# Altium PCB FMC_CMOS_SENSOR.PcbDoc (part 1 of 3)
Units mil, origin at the board's own origin, x right, y up, seen from the top; angles counter-clockwise.
Board outline 3017.68 x 2726.57 mil, 4 copper layers (Top Layer, Plane L3GND, MidLayer1, Bottom Layer), stack 55.118 mil thick; 88 components, 198 nets, 750 pads, 383 vias.
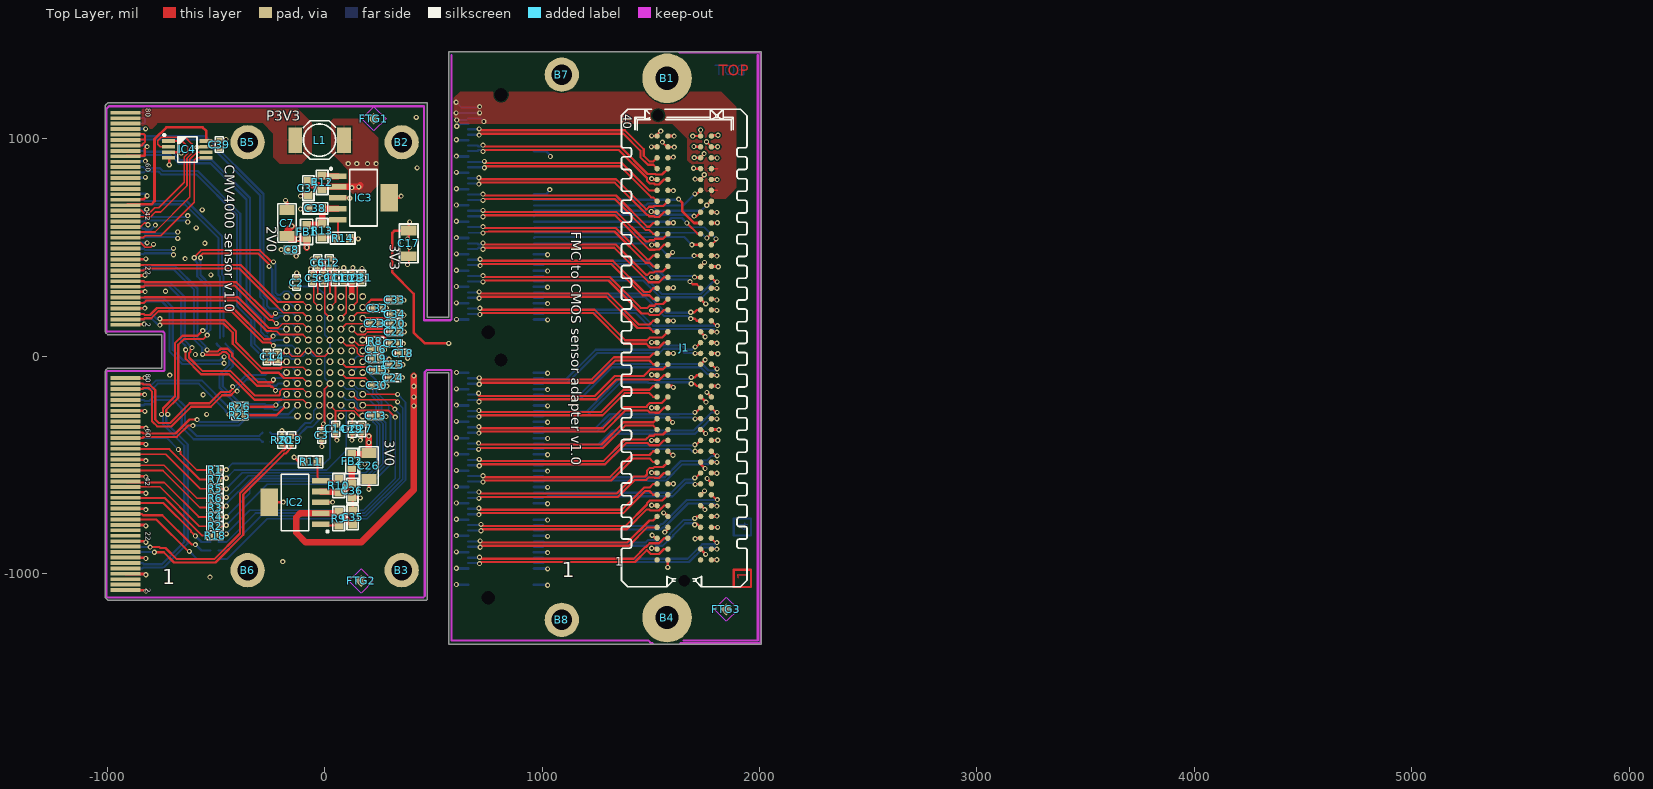
[diagram p0: Top Layer view]
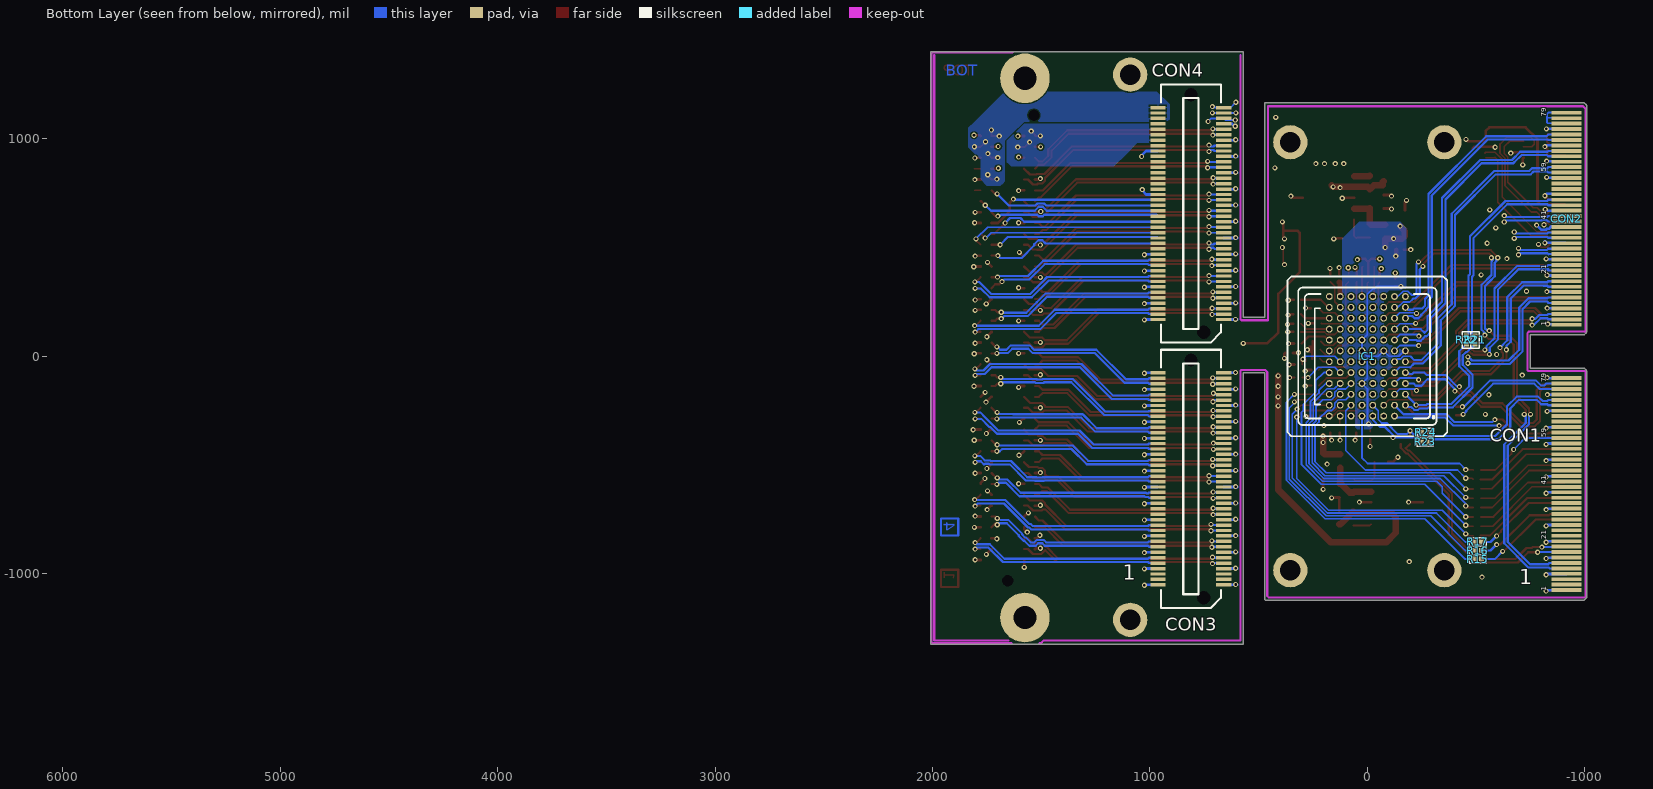
[diagram p1: Bottom Layer view, seen from below]
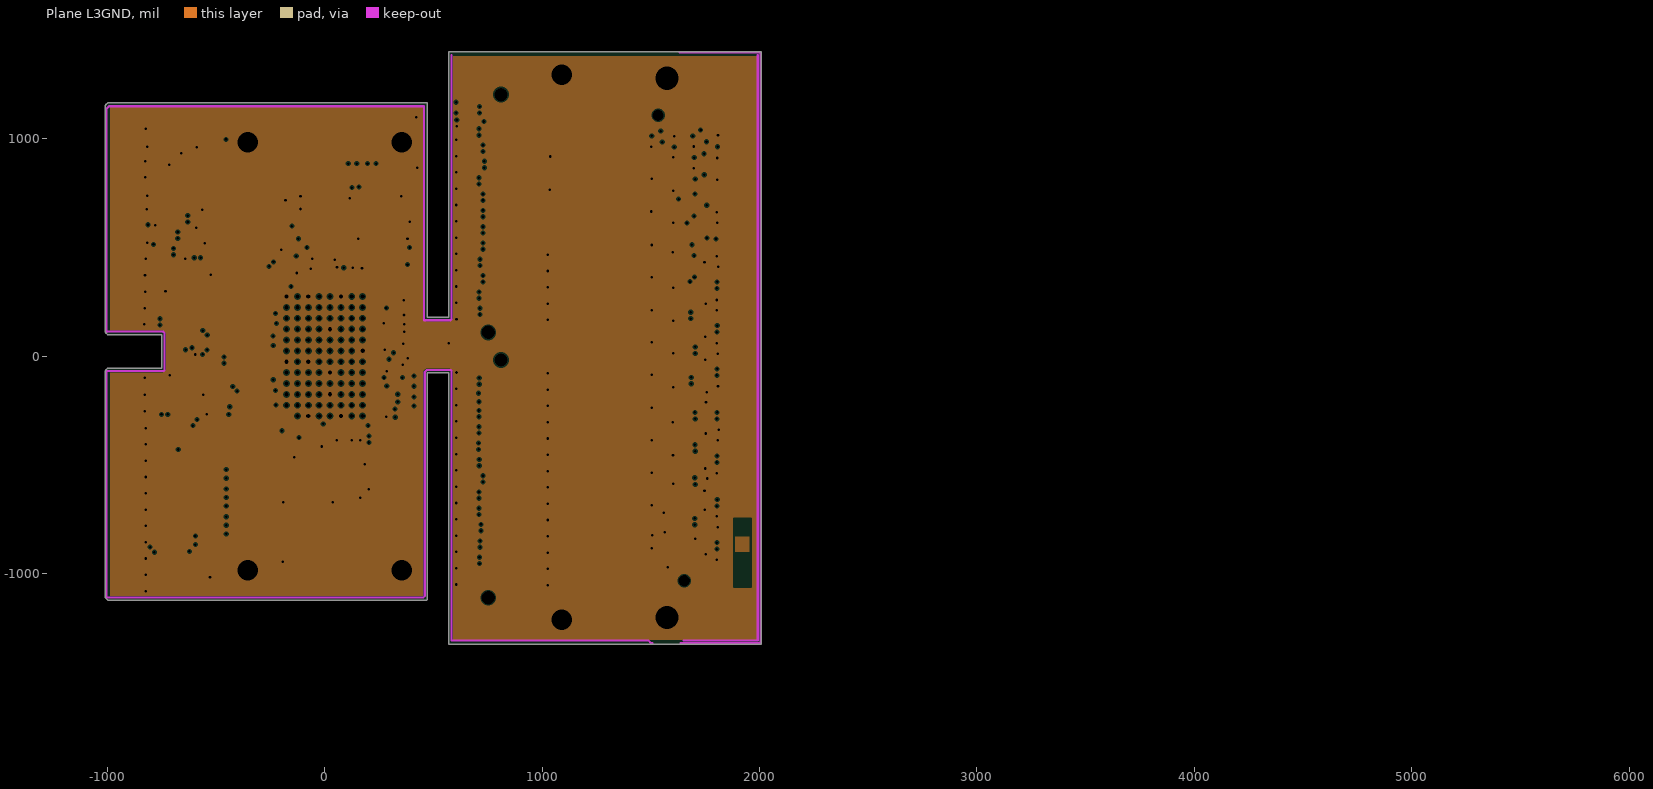
[diagram p2: Plane L3GND, clearances drawn from the general rule]
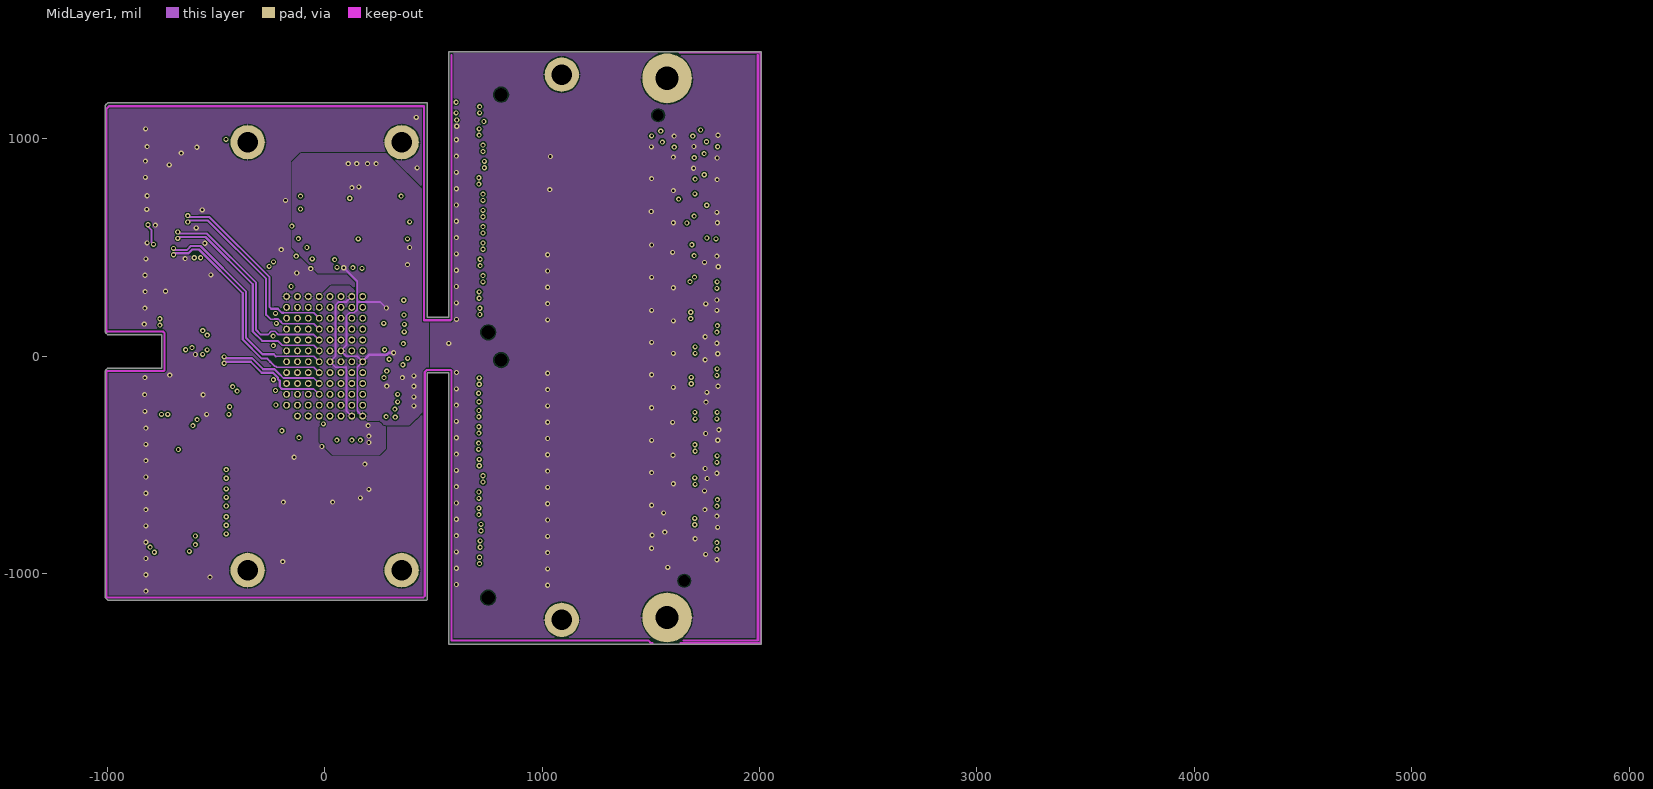
[diagram p3: MidLayer1]
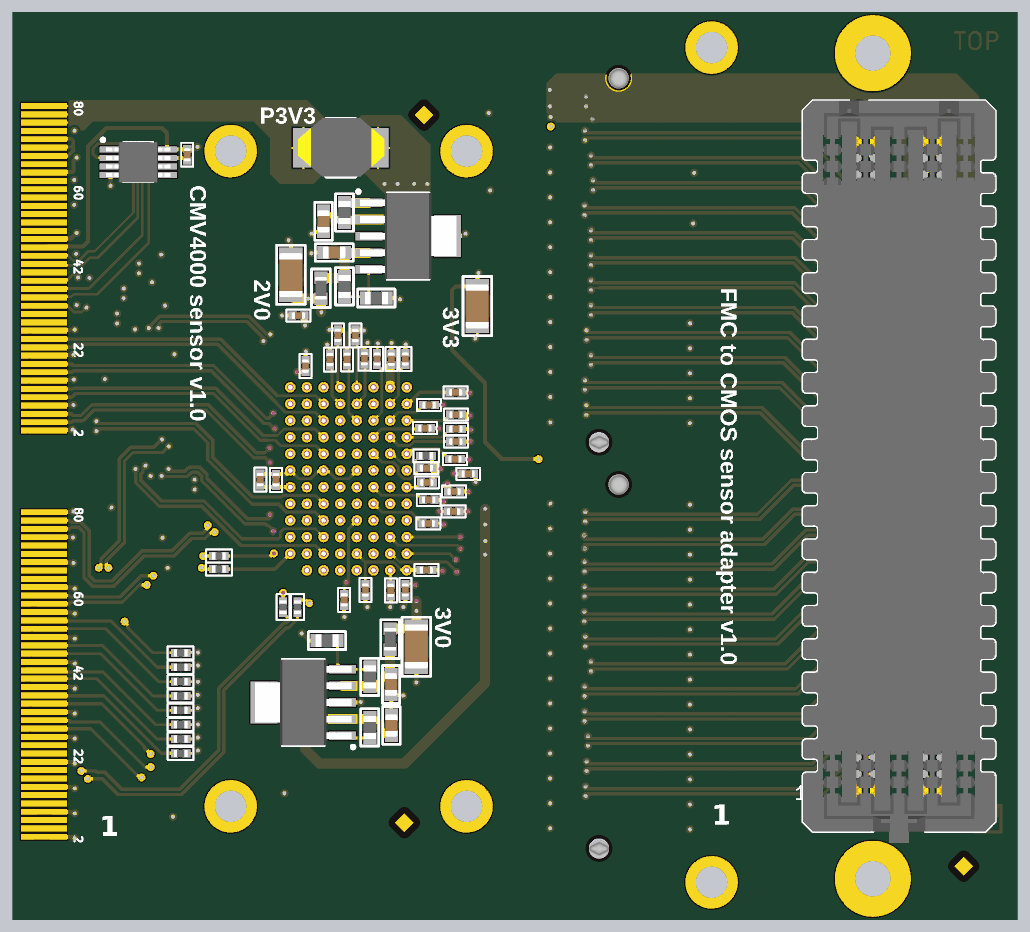
[diagram p6: 3D render of the assembled board from above, using the file's embedded part models]
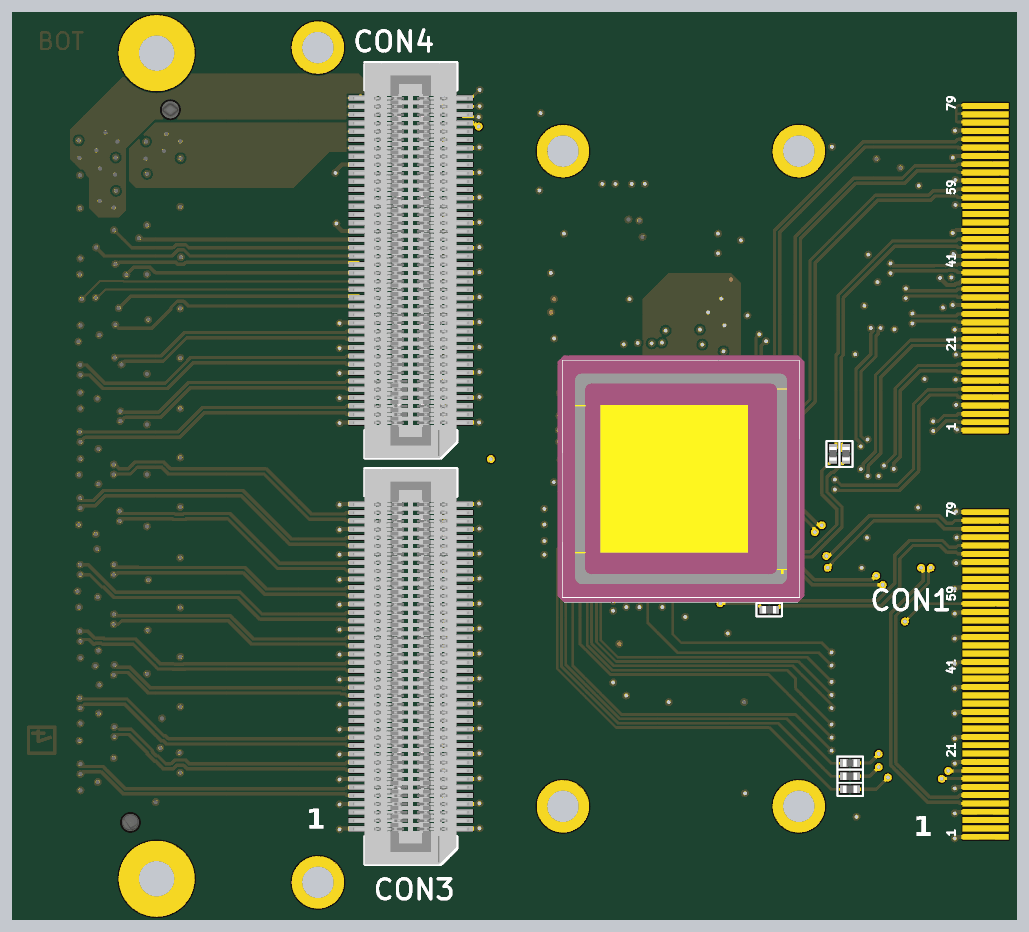
[diagram p7: 3D render of the assembled board from below, using the file's embedded part models]

## Layer stack, top to bottom
Top Solder: solder mask 3, Solder Resist, Dk 3.5
Top Layer: signal copper 1.378
Dielectric1: core 7.0866, FR-4, Dk 4.5
Plane L3GND: plane copper 1.378
Dielectric3: prepreg 35.4331, FR-4, Dk 4.8
MidLayer1: signal copper 1.378
Dielectric2: core 7.0866, FR-4, Dk 4.8
Bottom Layer: signal copper 1.378
Bottom Solder: solder mask 3, Solder Resist, Dk 3.5

## Board outline
-1007,-1112.26 cw(c-1003.47,-1108.7) -1008.48,-1108.7 -1008.48,-67.7 cw(c-1003.47,-67.7) -1007,-64.14 -1007.01,-64.15 -999.01,-56.15 -999.03,-56.17 cw(c-995.47,-59.7) -995.47,-54.68 -750.55,-54.68 -750.55,98.76 -995.47,98.76 cw(c-995.47,103.77) -999.03,100.24 -999.01,100.23 -1007.01,108.23 -1007,108.21 cw(c-1003.47,111.77) -1008.48,111.77 -1008.48,1152.77 cw(c-1003.47,1152.77) -1007,1156.34 -1007.01,1156.32 -999.01,1164.32 -999.03,1164.3 cw(c-995.47,1160.77) -995.47,1165.79 464.32,1165.79 cw(c466.78,1161.42) 471.8,1161.42 cw(c466.78,1161.42) 471.79,1161.1 cw(c466.78,1160.77) 471.8,1160.77 471.8,179.15 570.04,179.15 570.04,1396.58 cw(c575.05,1396.58) 575.05,1401.59 2004.19,1401.59 cw(c2004.19,1396.58) 2009.2,1396.58 2009.2,-1319.96 cw(c2004.19,-1319.96) 2004.19,-1324.98 575.05,-1324.98 cw(c575.05,-1319.96) 570.04,-1319.96 570.04,-76.95 471.8,-76.95 471.8,-1116.7 cw(c466.78,-1116.7) 466.78,-1121.71 -995.47,-1121.71 cw(c-995.47,-1116.7) -999.03,-1120.23 -999.01,-1120.24

## Design rules (kind name [scope] priority, off if disabled: settings)
AcuteAngle [All] p1: minimum=4.00000000000000E+0001 checktracksonly=FALSE
Clearance Clearance_GNDP [(InPolygon AND InNet('GNDP'))] p1 off: gap=10 ignorepadtopadclearanceinfootprint=FALSE except(0: Arc-Hole Track-Hole SMDPad-Hole THPad-Hole Via-Hole Fill-Hole Poly-Hole Region-Hole Text-Hole)
Clearance Poly [InPolygon] p2: gap=6 ignorepadtopadclearanceinfootprint=FALSE except(0: Arc-Hole Track-Hole SMDPad-Hole THPad-Hole Via-Hole Fill-Hole Poly-Hole Region-Hole Text-Hole)
Clearance [All] p3: gap=5 ignorepadtopadclearanceinfootprint=FALSE except(0: Arc-Hole Track-Hole SMDPad-Hole THPad-Hole Via-Hole Fill-Hole Poly-Hole Region-Hole Text-Hole)
ComponentClearance NO_DRC [not incomponent('j1')] p1: gap=0 collisioncheckmode=3 verticalgap=0 showdistances=FALSE
ComponentClearance [All] p2: gap=10 collisioncheckmode=3 verticalgap=0 showdistances=FALSE
DiffPairsRouting [InDifferentialPairClass('All Differential Pairs')] p1: maxlimit=6 minlimit=5 mostfreqgap=6 toplayer_prefgap=5.5 toplayer_minwidth=15 toplayer_maxwidth=15 toplayer_prefwidth=15 midlayer1_minwidth=15 midlayer1_maxwidth=15 midlayer1_prefwidth=15 bottomlayer_prefgap=5.5 bottomlayer_minwidth=15 bottomlayer_maxwidth=15 bottomlayer_prefwidth=15 maxuncoupledlength=1181.1
Height Height_Top [OnTop] p1 off: minheight=0 maxheight=472.44 prefheight=350
Height Height_Bot [OnBottom] p2 off: minheight=0 maxheight=58 prefheight=52
HoleSize [All] p1: absolutevalues=TRUE maxlimit=200 minlimit=7.48 maxpercent=80.000 minpercent=20.000
Length DDR_CLK_L [InNetClass('DDR_CLK')] p1: maxlimit=3160 minlimit=3060
MatchedLengths DDR_CLK [InNetClass('DDR_CLK')] p1 off: tolerance=5 checknetsindiffpair=TRUE checkdiffpairvsdiffpair=FALSE checkxsignals=FALSE checkothers=FALSE
MatchedLengths DDR_D_3 [InNetClass('DDR3_D')] p2 off: tolerance=20 checknetsindiffpair=TRUE checkdiffpairvsdiffpair=FALSE checkxsignals=FALSE checkothers=FALSE
MatchedLengths DDR_D_2 [InNetClass('DDR2_D')] p3 off: tolerance=10 checknetsindiffpair=TRUE checkdiffpairvsdiffpair=FALSE checkxsignals=FALSE checkothers=FALSE
MatchedLengths DDR_D_1 [InNetClass('DDR1_D')] p4 off: tolerance=20 checknetsindiffpair=TRUE checkdiffpairvsdiffpair=FALSE checkxsignals=FALSE checkothers=FALSE
MatchedLengths DDR_D_0 [InNetClass('DDR0_D')] p5 off: tolerance=20 checknetsindiffpair=TRUE checkdiffpairvsdiffpair=FALSE checkxsignals=FALSE checkothers=FALSE
MatchedLengths DDR_A [InNetClass('DDR_A')] p6 off: tolerance=25 checknetsindiffpair=TRUE checkdiffpairvsdiffpair=FALSE checkxsignals=FALSE checkothers=FALSE
MinimumSolderMaskSliver [All] p1 off: minsoldermaskwidth=0
PlaneClearance [All] p1: clearance=6
PlaneConnect [All] p1: planeconnectstyle=Direct reliefexpansion=20 reliefentries=4 reliefconductorwidth=10 reliefairgap=10
PolygonConnect PolygonConnect_pad [(InPadClass('All Pads'))] p1: connectstyle=Relief reliefconductorwidth=6 reliefentries=4 polygonreliefangle="90 Angle" airgapwidth=6
PolygonConnect [All] p2: connectstyle=Direct reliefconductorwidth=10 reliefentries=4 polygonreliefangle="90 Angle" airgapwidth=10
RoomDefinition U_fmc_connector [InComponentClass('U_fmc_connector')] p1: confinementstyle=ConfineIn formatcopy=TRUE lockcomponents=FALSE outline 2049.08,1348.43 575.05,1348.43 575.05,-1181.1 2049.08,-1181.1
RoomDefinition FMC_CMOS_SENSOR [InComponentClass('FMC_CMOS_SENSOR')] p2: confinementstyle=ConfineIn formatcopy=TRUE lockcomponents=FALSE outline 2049.08,-1365.25 -1003.94,-1365.25 -1003.94,1397.64 2049.08,1397.64
RoutingVias [All] p1: holewidth=7.87 width=23.62 viastyle="Through Hole" minholewidth=7.87 minwidth=23.62 maxholewidth=19.68 maxwidth=39.37
SilkToSilkClearance [All] p1 off: silktosilkclearance=0
SilkToSolderMaskClearance SilkscreenOverComponentPads [IsPad] p1 off: minsilkscreentomaskgap=1 clearancetoexposedcopper=TRUE
SolderMaskExpansion [All] p1: expansion=4
ViasUnderSMD ViasUnderSMD_ICs [(InComponent('IC14')) OR (InComponent('IC1'))  OR (InComponent('IC11'))] p1: allowed=TRUE
ViasUnderSMD [All] p2: allowed=FALSE
Width DIFF_PAIRS [InDifferentialPairClass('All Differential Pairs')] p1 off: maxlimit=10 minlimit=3 preferedwidth=10 toplayer_minwidth=10 midlayer1_maxwidth=4 midlayer1_prefwidth=4 bottomlayer_minwidth=10 minimp=50.000000 maximp=50.000000 favimp=50.000000
Width [All] p2: maxlimit=30 minlimit=4 preferedwidth=8 toplayer_minwidth=5 midlayer1_prefwidth=6 bottomlayer_minwidth=5 minimp=0.000000 maximp=0.000000 favimp=100000000000000005000000000000000.000000
21 further rules are at their usual default settings.

## Classes and differential pairs
component class FMC_CMOS_SENSOR: C1 C2 C3 C4 C5 C6 C7 C8 C9 C10 C11 C12 C13 C14 C15 C16 C17 C18 C19 C20 C21 C22 C23 C24 C25 C26 C27 C28 C29 C30 C31 C32 C33 C34 C35 C36 C37 C38 C39 CON1 CON2 FB1 FB2 IC1 IC2 IC3 IC4 L1 R1 R2 R3 R4 R5 R6 R7 R8 R9 R10 R11 R12 R13 R14 R15 R16 R17 R18 R19 R20 R21 R22 R23 R24 R25 R26
pad class SMA: J7-2
pad class Direc: J3-37 J3-38
component class U_fmc_connector: B1 B2 B3 B4 B5 B6 B7 B8 C40 C41 C42 C43 C44 C45 C46 C47 C48 C49 C50 C51 C52 C53 C54 C55 C56 C57 C58 C59 C60 C61 CON3 CON4 D2 D3 D5 D6 FTG1 FTG2 FTG3 FTG4 FTG5 FTG6 IC5 IC7 IC8 IC12 J1 LD2 LD3 OSC1 R19 R20 R21 R22 R23 R24 R25 R26 R32 R33 R36 R37 R38 R39 R40 R41 R42 R43 R45 R48
differential pair LVDS_CLK: +LVDS_CLK_P -LVDS_CLK_N
differential pair OUT1: +OUT1_P -OUT1_N
differential pair OUT2: +OUT2_P -OUT2_N
differential pair OUT3: +OUT3_P -OUT3_N
differential pair OUT4: +OUT4_P -OUT4_N
differential pair OUT5: +OUT5_P -OUT5_N
differential pair OUT6: +OUT6_P -OUT6_N
differential pair OUT7: +OUT7_P -OUT7_N
differential pair OUT8: +OUT8_P -OUT8_N
differential pair OUT9: +OUT9_P -OUT9_N
differential pair OUT10: +OUT10_P -OUT10_N
differential pair OUT11: +OUT11_P -OUT11_N
differential pair OUT12: +OUT12_P -OUT12_N
differential pair OUT13: +OUT13_P -OUT13_N
differential pair OUT14: +OUT14_P -OUT14_N
differential pair OUT15: +OUT15_P -OUT15_N
differential pair OUT16: +OUT16_P -OUT16_N
differential pair OUTCLK: +OUTCLK_P -OUTCLK_N
differential pair OUTCTR: +OUTCTR_P -OUTCTR_N
differential pair CLK0_M2C: +CLK0_M2C_P -CLK0_M2C_N
differential pair CLK1_M2C: +CLK1_M2C_P -CLK1_M2C_N
differential pair DP0_C2M: +DP0_C2M_P -DP0_C2M_N
differential pair DP0_M2C: +DP0_M2C_P -DP0_M2C_N
differential pair GBTCLK0_M2C: +GBTCLK0_M2C_P -GBTCLK0_M2C_N
differential pair LA00: +LA00_P -LA00_N
differential pair LA01: +LA01_P -LA01_N
differential pair LA02: +LA02_P -LA02_N
differential pair LA03: +LA03_P -LA03_N
differential pair LA04: +LA04_P -LA04_N
differential pair LA05: +LA05_P -LA05_N
differential pair LA06: +LA06_P -LA06_N
differential pair LA07: +LA07_P -LA07_N
differential pair LA08: +LA08_P -LA08_N
differential pair LA09: +LA09_P -LA09_N
differential pair LA10: +LA10_P -LA10_N
differential pair LA11: +LA11_P -LA11_N
differential pair LA12: +LA12_P -LA12_N
differential pair LA13: +LA13_P -LA13_N
differential pair LA14: +LA14_P -LA14_N
differential pair LA15: +LA15_P -LA15_N
differential pair LA16: +LA16_P -LA16_N
differential pair LA17: +LA17_P -LA17_N
differential pair LA18: +LA18_P -LA18_N
differential pair LA19: +LA19_P -LA19_N
differential pair LA20: +LA20_P -LA20_N
differential pair LA21: +LA21_P -LA21_N
differential pair LA22: +LA22_P -LA22_N
differential pair LA23: +LA23_P -LA23_N
differential pair LA24: +LA24_P -LA24_N
differential pair LA25: +LA25_P -LA25_N
differential pair LA26: +LA26_P -LA26_N
differential pair LA27: +LA27_P -LA27_N
differential pair LA28: +LA28_P -LA28_N
differential pair LA29: +LA29_P -LA29_N
differential pair LA30: +LA30_P -LA30_N
differential pair LA31: +LA31_P -LA31_N
differential pair LA32: +LA32_P -LA32_N
differential pair LA33: +LA33_P -LA33_N

## Components (designator, comment, footprint, x,y, rotation, side; value= is the part's Value field where it differs from the comment)
B1 "Plated Hole" MTG300_600 1575.05,1278.47 r0 top
B2 "Plated Hole" MTG240_400 354.33,984.25 r0 top
B3 "Plated Hole" MTG240_400 354.33,-984.25 r0 top
B4 "Plated Hole" MTG300_600 1575.05,-1201.85 r0 top
B5 "Plated Hole" MTG240_400 -354.33,984.25 r0 top
B6 "Plated Hole" MTG240_400 -354.33,-984.25 r0 top
B7 "Plated Hole" MTG240_400 1090.55,1295.28 r0 top
B8 "Plated Hole" MTG240_400 1090.55,-1212.6 r0 top
C1 "100nF" 0402C -265.25,-2.97 r90 top
C2 "100nF" 0402C -129.25,338.46 r270 top
C3 "100nF" 0402C -13.25,-363.97 r90 top
C4 "100nF" 0402C -218.25,-3.25 r90 top
C5 "100nF" 0402C -56.25,358.03 r90 top
C6 "100nF" 0402C -32.25,430.75 r90 top
C7 "22u/16V" 1206C -173.25,611.8 r90 top
C8 "100nF" 0402C -150.66,490.23 r0 top
C9 "100nF" 0402C -4.25,358.75 r90 top
C10 "100nF" 0402C 85.75,359.75 r90 top
C11 "100nF" 0402C 47.75,360.46 r90 top
C12 "100nF" 0402C 20.75,430.46 r90 top
C13 "100nF" 0402C 233.75,-274.25 r180 top
C14 "100nF" 0402C 50.75,-334.25 r90 top
C15 "100nF" 0402C 240.75,-63.25 r0 top
C16 "100nF" 0402C 233.75,31.75 r0 top
C17 "22u/16V" 1206C 386.75,517.75 r90 top
C18 "100nF" 0402C 359.46,14.75 r180 top
C19 "100nF" 0402C 235.46,-11.25 r180 top
C20 "100nF" 0402C 322.46,149.75 r0 top
C21 "100nF" 0402C 319.75,58.75 r0 top
C22 "100nF" 0402C 322.46,111.75 r0 top
C23 "100nF" 0402C 229.46,151.75 r0 top
C24 "100nF" 0402C 315.46,-98.25 r0 top
C25 "100nF" 0402C 317.03,-38.25 r0 top
C26 "22u/16V" 1206C 203.67,-503.87 r270 top
C27 "100nF" 0402C 170.75,-334.25 r90 top
C28 "100nF" 0402C 128.75,359.03 r270 top
C29 "100nF" 0402C 126.75,-335.54 r90 top
C30 "100nF" 0402C 239.46,-134.25 r0 top
C31 "100nF" 0402C 170.75,360.03 r90 top
C32 "100nF" 0402C 241.68,221.2 r0 top
C33 "100nF" 0402C 321.46,259.75 r0 top
C34 "100nF" 0402C 322.75,192.75 r0 top
C35 "1u" 0603C 128.75,-741.25 r270 top
C36 "1u" 0603C 127.75,-618.25 r90 top
C37 "1u" 0603C -75.25,773.25 r90 top
C38 "1u" 0603C -43.25,679.75 r0 top
C39 "100nF" 0402C -484.78,973.38 r270 top
CON1 "EDGE_CON_80(copper)" EDGE_CON_80(copper) -915.47,-400.7 r90 bottom
CON2 "EDGE_CON_80(copper)" EDGE_CON_80(copper) -915.47,819.77 r90 bottom
CON3 "MEC6-140-02-L-DV-A" MEC6-140-02-X-DV-A 811.27,-564.06 r90 bottom
CON4 "MEC6-140-02-L-DV-A" MEC6-140-02-X-DV-A 811.27,656.42 r90 bottom locked
FB1 "100R/1A" 0603L -83.25,572.24 r270 top
FB2 "100R/1A" 0603L 124.93,-482.21 r90 top
FTG1 "Use only in PCB" FIDUCIAL_TOP_S100-200 226.38,1092.52 r90 top
FTG2 "Use only in PCB" FIDUCIAL_TOP_S100-200 167.32,-1033.46 r90 top
FTG3 "Use only in PCB" FIDUCIAL_TOP_S100-200 1848.08,-1164.25 r0 top
IC1 "CMV4000-2E5C1PP" CMOSIS_CMV4000 -0.25,-0.25 r180 bottom
IC2 "MCP1826T-ADJE/DC" SOT127P700X180-6N -136.25,-672.25 r180 top
IC3 "MCP1826T-ADJE/DC" SOT127P700X180-6N 178.86,728.75 r0 top
IC4 "24LC64-I/MS" SOP65P490X110-8N -631.78,951.1 r0 top
J1 "VITA 57" SAMTEC_ASP-134604-01 1653.79,37.94 r270 top locked
L1 "DLCSN042C-2R2M or SDE6603-2R2M" L_DLCSN042C -135.83,994.09 r0 top
R1 "100R" 0402R -504.41,-523.19 r0 top
R2 "100R" 0402R -504.41,-782.11 r0 top
R3 "100R" 0402R -504.41,-695.8 r0 top
R4 "100R" 0402R -504.41,-738.96 r0 top
R5 "100R" 0402R -504.41,-609.5 r0 top
R6 "100R" 0402R -504.41,-652.65 r0 top
R7 "100R" 0402R -504.41,-566.34 r0 top
R8 "0R" 0402R 232.46,68.75 r180 top
R9 "10k" 0603R 63.75,-747.25 r270 top
R10 "4k3 1%" 0603R 63.75,-595.25 r90 top
R11 "680R 1%" 0603R -64.75,-486.25 r180 top
R12 "10k" 0603R -12.25,799.75 r90 top
R13 "6k2 1%" 0603R -12.25,577.75 r270 top
R14 "1k6 1%" 0603R 83.25,542.75 r0 top
R15 "100R" 0402R -507.87,-933.07 r0 bottom
R16 "100R" 0402R -507.87,-893.7 r0 bottom
R17 "100R" 0402R -507.87,-854.33 r0 bottom
R18 "100R" 0402R -504.41,-825.26 r0 top
R19 "0R" 0402R -153.54,-385.83 r270 top
R20 "0R" 0402R -196.85,-385.83 r270 top
R21 "0R" 0402R -496.06,74.8 r90 bottom
R22 "0R" 0402R -456.69,74.8 r90 bottom
R23 "0R" 0402R -265.75,-393.7 r180 bottom
R24 "0R" 0402R -267.72,-350.39 r180 bottom
R25 "0R" 0402R -389.76,-271.65 r180 top
R26 "0R" 0402R -389.76,-232.28 r180 top

## Footprints (in the part's own frame and the unit in brackets; to place one, negate y for a bottom-side part, rotate by r counter-clockwise, add the part's x,y. Pads: shape width x height; smd on the part's side, far side on the other; paste and mask are expansions set on the pad)
0402C [mm]
  rect 0.62x0.62 smd: 1(-0.45,0) 2(0.45,0)
  silkscreen extent -0.91,-0.46 0.91,0.46, body extent -0.52,-0.27 0.53,0.28, height 0.55
0402R [mm]
  rect 0.6x0.6 smd: 1(-0.45,0) 2(0.45,0)
  silkscreen extent -0.99,-0.5 0.97,0.5, body extent -0.52,-0.27 0.53,0.28, height 0.4
0603C [mm]
  rect 0.95x1 smd: 1(-0.8,0) 2(0.8,0)
  silkscreen extent -1.45,-0.66 1.45,0.66, body extent -0.87,-0.47 0.88,0.48, height 0.87
0603L [mm]
  rect 0.95x1 smd: 1(-0.8,0) 2(0.8,0)
  silkscreen extent -1.47,-0.71 1.47,0.71, body extent -0.87,-0.47 0.88,0.48, height 0.7
0603R [mm]
  rect 0.9x1 smd: 1(-0.8,0) 2(0.8,0)
  silkscreen extent -1.42,-0.69 1.42,0.69, body extent -0.87,-0.47 0.88,0.48, height 0.55
1206C [mm]
  rect 1.15x1.8 smd: 1(-1.475,0) 2(1.525,0)
  silkscreen extent -2.24,-1.09 2.29,1.09, body extent -1.7,-0.9 1.7,0.9, height 1.4
CMOSIS_CMV4000 [mm] "Megapixel machine vision CMOS image sensor"
  round 0.8 hole 0.5: A2(4.445,-5.715) A3(4.445,-4.445) A4(4.445,-3.175) A5(4.445,-1.905) A6(4.445,-0.635) A7(4.445,0.635) A8(4.445,1.905) A9(4.445,3.175) A10(4.445,4.445) A11(4.445,5.715) A12(4.445,6.985) B1(3.175,-6.985) B2(3.175,-5.715) B3(3.175,-4.445) B4(3.175,-3.175) B5(3.175,-1.905) B6(3.175,-0.635) B7(3.175,0.635) B8(3.175,1.905) B9(3.175,3.175) B10(3.175,4.445) B11(3.175,5.715) B12(3.175,6.985) C1(1.905,-6.985) C2(1.905,-5.715) C3(1.905,-4.445) C4(1.905,-3.175) C5(1.905,-1.905) C6(1.905,-0.635) C7(1.905,0.635) C8(1.905,1.905) C9(1.905,3.175) C10(1.905,4.445) C11(1.905,5.715) C12(1.905,6.985) D1(0.635,-6.985) D2(0.635,-5.715) D3(0.635,-4.445) D4(0.635,-3.175) D5(0.635,-1.905) D6(0.635,-0.635) D7(0.635,0.635) D8(0.635,1.905) D9(0.635,3.175) D10(0.635,4.445) D11(0.635,5.715) D12(0.635,6.985) E1(-0.635,-6.985) E2(-0.635,-5.715) E3(-0.635,-4.445) E4(-0.635,-3.175) E5(-0.635,-1.905) E6(-0.635,-0.635) E7(-0.635,0.635) E8(-0.635,1.905) E9(-0.635,3.175) E10(-0.635,4.445) E11(-0.635,5.715) E12(-0.635,6.985) F1(-1.905,-6.985) F2(-1.905,-5.715) F3(-1.905,-4.445) F4(-1.905,-3.175) F5(-1.905,-1.905) F6(-1.905,-0.635) F7(-1.905,0.635) F8(-1.905,1.905) F9(-1.905,3.175) F10(-1.905,4.445) F11(-1.905,5.715) F12(-1.905,6.985) G1(-3.175,-6.985) G2(-3.175,-5.715) G3(-3.175,-4.445) G4(-3.175,-3.175) G5(-3.175,-1.905) G6(-3.175,-0.635) G7(-3.175,0.635) G8(-3.175,1.905) G9(-3.175,3.175) G10(-3.175,4.445) G11(-3.175,5.715) G12(-3.175,6.985) H1(-4.445,-6.985) H2(-4.445,-5.715) H3(-4.445,-4.445) H4(-4.445,-3.175) H5(-4.445,-1.905) H6(-4.445,-0.635) H7(-4.445,0.635) H8(-4.445,1.905) H9(-4.445,3.175) H10(-4.445,4.445) H11(-4.445,5.715) H12(-4.445,6.985)
  silkscreen extent -9.33,-9.33 9.33,9.33, body extent -9.42,-9.42 9.42,9.42, height 3.58
EDGE_CON_80(copper) [mm]
  rect 0.45x3.5 smd paste-1: 1(-17.145,0) 3(-16.51,0) 5(-15.875,0) 7(-15.24,0) 9(-14.605,0) 11(-13.97,0) 13(-13.335,0) 15(-12.7,0) 17(-12.065,0) 19(-11.43,0) 21(-10.795,0) 23(-10.16,0) 25(-9.525,0) 27(-8.89,0) 29(-8.255,0) 31(-7.62,0) 33(-6.985,0) 35(-6.35,0) 37(-5.715,0) 39(-5.08,0) 41(-4.445,0) 43(-3.81,0) 45(-3.175,0) 47(-2.54,0) 49(-1.905,0) 51(-1.27,0) 53(-0.635,0) 55(0,0) 57(0.635,0) 59(1.27,0) 61(1.905,0) 63(2.54,0) 65(3.175,0) 67(3.81,0) 69(4.445,0) 71(5.08,0) 73(5.715,0) 75(6.35,0) 77(6.985,0) 79(7.62,0)
  rect 0.45x3.5 smd far side paste-1: 2(-17.145,0) 4(-16.51,0) 6(-15.875,0) 8(-15.24,0) 10(-14.605,0) 12(-13.97,0) 14(-13.335,0) 16(-12.7,0) 18(-12.065,0) 20(-11.43,0) 22(-10.795,0) 24(-10.16,0) 26(-9.525,0) 28(-8.89,0) 30(-8.255,0) 32(-7.62,0) 34(-6.985,0) 36(-6.35,0) 38(-5.715,0) 40(-5.08,0) 42(-4.445,0) 44(-3.81,0) 46(-3.175,0) 48(-2.54,0) 50(-1.905,0) 52(-1.27,0) 54(-0.635,0) 56(0,0) 58(0.635,0) 60(1.27,0) 62(1.905,0) 64(2.54,0) 66(3.175,0) 68(3.81,0) 70(4.445,0) 72(5.08,0) 74(5.715,0) 76(6.35,0) 78(6.985,0) 80(7.62,0)
FIDUCIAL_TOP_S100-200 [mm] "Scare Fiducial Target, Top Layer, 1.0mm, Top Sloder 2.0mm, Keepout =2.0mm"
  rect 1x1 smd rot 45 paste-1.016 mask+0.5: 1(0,0)
  Top Layer keep-out region: 1.414,0 0,-1.414 -1.414,0 0,1.414
L_DLCSN042C [mm] "Choke Power CSN042C"
  rect 1.6x3 smd: 1(0,0) 2(5.7,0)
  silkscreen extent 0.97,-2.25 4.75,2.25, body extent -0.4,-2.19 6.2,2.26, height 2.92
MEC6-140-02-X-DV-A [mm]
  rect 0.4x1.8 smd mask+0.051: 1(-12.383,-3.85) 2(-12.383,3.85) 3(-11.747,-3.85) 4(-11.747,3.85) 5(-11.112,-3.85) 6(-11.112,3.85) 7(-10.477,-3.85) 8(-10.477,3.85) 9(-9.842,-3.85) 10(-9.842,3.85) 11(-9.207,-3.85) 12(-9.207,3.85) 13(-8.572,-3.85) 14(-8.572,3.85) 15(-7.938,-3.85) 16(-7.938,3.85) 17(-7.302,-3.85) 18(-7.302,3.85) 19(-6.667,-3.85) 20(-6.667,3.85) 21(-6.032,-3.85) 22(-6.032,3.85) 23(-5.397,-3.85) 24(-5.397,3.85) 25(-4.763,-3.85) 26(-4.763,3.85) 27(-4.127,-3.85) 28(-4.127,3.85) 29(-3.492,-3.85) 30(-3.492,3.85) 31(-2.858,-3.85) 32(-2.857,3.85) 33(-2.223,-3.85) 34(-2.222,3.85) 35(-1.588,-3.85) 36(-1.587,3.85) 37(-0.953,-3.85) 38(-0.952,3.85) 39(-0.318,-3.85) 40(-0.317,3.85) 41(0.317,-3.85) 42(0.318,3.85) 43(0.952,-3.85) 44(0.953,3.85) 45(1.587,-3.85) 46(1.588,3.85) 47(2.222,-3.85) 48(2.223,3.85) 49(2.857,-3.85) 50(2.858,3.85) 51(3.492,-3.85) 52(3.492,3.85) 53(4.127,-3.85) 54(4.127,3.85) 55(4.763,-3.85) 56(4.763,3.85) 57(5.397,-3.85) 58(5.397,3.85) 59(6.032,-3.85) 60(6.032,3.85) 61(6.667,-3.85) 62(6.667,3.85) 63(7.302,-3.85) 64(7.302,3.85) 65(7.938,-3.85) 66(7.938,3.85) 67(8.572,-3.85) 68(8.572,3.85) 69(9.207,-3.85) 70(9.207,3.85) 71(9.842,-3.85) 72(9.842,3.85) 73(10.477,-3.85) 74(10.477,3.85) 75(11.112,-3.85) 76(11.112,3.85) 77(11.747,-3.85) 78(11.747,3.85) 79(12.383,-3.85) 80(12.383,3.85)
  round 1 hole 1.55 unplated mask+0.525: 81(-13.885,-1.5) 82(13.885,0)
  silkscreen extent -15.08,-3.5 15.08,3.5, body extent -15.1,-4.38 15.06,4.42, height 8.65
MTG240_400 [mm] "Plated Through Hole: Hole Dia.=2.4mm Pad Dia.=4.0mm"
  round 4 hole 2.4: 1(0,0)
MTG300_600 [mm] "Plated Through Hole: Hole Dia.=3.0mm Pad Dia.=6.0mm"
  round 5.8 hole 2.7: 1(0,0)
SAMTEC_ASP-134604-01 [mm] "Connector VITA 57, 160 Male contacts in 4 row cdgh"
  round 1 hole 1.3 unplated mask+0.3: 1(-27.191,-3.048) 2(27.191,0)
  round 0.64 smd: c1(24.765,3.175) c2(23.495,3.175) c3(22.225,3.175) c4(20.955,3.175) c5(19.685,3.175) c6(18.415,3.175) c7(17.145,3.175) c8(15.875,3.175) c9(14.605,3.175) c10(13.335,3.175) c11(12.065,3.175) c12(10.795,3.175) c13(9.525,3.175) c14(8.255,3.175) c15(6.985,3.175) c16(5.715,3.175) c17(4.445,3.175) c18(3.175,3.175) c19(1.905,3.175) c20(0.635,3.175) c21(-0.635,3.175) c22(-1.905,3.175) c23(-3.175,3.175) c24(-4.445,3.175) c25(-5.715,3.175) c26(-6.985,3.175) c27(-8.255,3.175) c28(-9.525,3.175) c29(-10.795,3.175) c30(-12.065,3.175) c31(-13.335,3.175) c32(-14.605,3.175) c33(-15.875,3.175) c34(-17.145,3.175) c35(-18.415,3.175) c36(-19.685,3.175) c37(-20.955,3.175) c38(-22.225,3.175) c39(-23.495,3.175) c40(-24.765,3.175) d1(24.765,1.905) d2(23.495,1.905) d3(22.225,1.905) d4(20.955,1.905) d5(19.685,1.905) d6(18.415,1.905) d7(17.145,1.905) d8(15.875,1.905) d9(14.605,1.905) d10(13.335,1.905) d11(12.065,1.905) d12(10.795,1.905) d13(9.525,1.905) d14(8.255,1.905) d15(6.985,1.905) d16(5.715,1.905) d17(4.445,1.905) d18(3.175,1.905) d19(1.905,1.905) d20(0.635,1.905) d21(-0.635,1.905) d22(-1.905,1.905) d23(-3.175,1.905) d24(-4.445,1.905) d25(-5.715,1.905) d26(-6.985,1.905) d27(-8.255,1.905) d28(-9.525,1.905) d29(-10.795,1.905) d30(-12.065,1.905) d31(-13.335,1.905) d32(-14.605,1.905) d33(-15.875,1.905) d34(-17.145,1.905) d35(-18.415,1.905) d36(-19.685,1.905) d37(-20.955,1.905) d38(-22.225,1.905) d39(-23.495,1.905) d40(-24.765,1.905) g1(24.765,-1.905) g2(23.495,-1.905) g3(22.225,-1.905) g4(20.955,-1.905) g5(19.685,-1.905) g6(18.415,-1.905) g7(17.145,-1.905) g8(15.875,-1.905) g9(14.605,-1.905) g10(13.335,-1.905) g11(12.065,-1.905) g12(10.795,-1.905) g13(9.525,-1.905) g14(8.255,-1.905) g15(6.985,-1.905) g16(5.715,-1.905) g17(4.445,-1.905) g18(3.175,-1.905) g19(1.905,-1.905) g20(0.635,-1.905) g21(-0.635,-1.905) g22(-1.905,-1.905) g23(-3.175,-1.905) g24(-4.445,-1.905) g25(-5.715,-1.905) g26(-6.985,-1.905) g27(-8.255,-1.905) g28(-9.525,-1.905) g29(-10.795,-1.905) g30(-12.065,-1.905) g31(-13.335,-1.905) g32(-14.605,-1.905) g33(-15.875,-1.905) g34(-17.145,-1.905) g35(-18.415,-1.905) g36(-19.685,-1.905) g37(-20.955,-1.905) g38(-22.225,-1.905) g39(-23.495,-1.905) g40(-24.765,-1.905) h1(24.765,-3.175) h2(23.495,-3.175) h3(22.225,-3.175) h4(20.955,-3.175) h5(19.685,-3.175) h6(18.415,-3.175) h7(17.145,-3.175) h8(15.875,-3.175) h9(14.605,-3.175) h10(13.335,-3.175) h11(12.065,-3.175) h12(10.795,-3.175) h13(9.525,-3.175) h14(8.255,-3.175) h15(6.985,-3.175) h16(5.715,-3.175) h17(4.445,-3.175) h18(3.175,-3.175) h19(1.905,-3.175) h20(0.635,-3.175) h21(-0.635,-3.175) h22(-1.905,-3.175) h23(-3.175,-3.175) h24(-4.445,-3.175) h25(-5.715,-3.175) h26(-6.985,-3.175) h27(-8.255,-3.175) h28(-9.525,-3.175) h29(-10.795,-3.175) h30(-12.065,-3.175) h31(-13.335,-3.175) h32(-14.605,-3.175) h33(-15.875,-3.175) h34(-17.145,-3.175) h35(-18.415,-3.175) h36(-19.685,-3.175) h37(-20.955,-3.175) h38(-22.225,-3.175) h39(-23.495,-3.175) h40(-24.765,-3.175)
  silkscreen extent -27.89,-7.34 27.89,7.34, body extent -27.89,-7.34 28.78,7.34, height 5.61
SOP65P490X110-8N [mm] "SOP, 0.65mm pitch; 8 pin, 3.00mm W X 3.00mm L X 1.10mm H body, IPC Medium Density"
  rect 1.5x0.45 smd: 1(-2.2,0.975) 2(-2.2,0.325) 3(-2.2,-0.325) 4(-2.2,-0.975) 5(2.2,-0.975) 6(2.2,-0.325) 7(2.2,0.325) 8(2.2,0.975)
  silkscreen extent -2.82,-1.5 1.12,1.82, body extent -2.45,-1.55 2.45,1.55, height 1.1
SOT127P700X180-6N [mm] "SOT223, 6-Leads, Body 6.6x7.3mm (max), Pitch 1.27mm, IPC Medium Density"
  rect 2.05x0.65 smd: 1(-3,2.54) 2(-3,1.27) 3(-3,0) 4(-3,-1.27) 5(-3,-2.54)
  rect 2.05x3.2 smd: 6(3,0)
  silkscreen extent -3.93,-3.3 1.6,3.52, body extent -3.68,-3.27 3.68,3.28, height 1.8

## Part data
B1 B4: library part PLATED_HOLE3.0_PAD6.0, "Single Terminal Socket"
B2 B3 B5 B6 B7 B8: library part PLATED_HOLE2.4_PAD4.0, "Single Terminal Socket"
C1 C2 C3 C4 C5 C6 C8 C9 C10 C11 C12 C13 C14 C15 C16 C18 C19 C20 C21 C22 C23 C24 C25 C27 C28 C29 C30 C31 C32 C33 C34 C39: library part CAP_SMD_0402, "Capacitor SMD"
C7 C17 C26: library part CAP_SMD_1206, "Capacitor SMD"
C35 C36 C37 C38: library part CAP_SMD_0603, "Capacitor SMD"
CON1 CON2: library part CON_MEC6_EDGE140, "80 way, 0.635mm edge PCB connector"
CON3 CON4: library part CON_MEC6-140-02, "80 way, 0.635mm edge connector"
FB1 FB2: library part L_FERRITE_BEAD_0603, "ferrite bead 100R@100MHz 1A"
FTG1 FTG2 FTG3: library part FIDUCIAL_TARGET_S100-200, "Fiducial Target"
IC1: "Megapixel Machine Vision CMOS Image Sensor"
IC2 IC3: library part REG_MCP1826, "1A, 250mV LDO regulator"
IC4: "64K I2C Serial EEPROM"
J1: library part SAMTEC_ASP-134604-01, "Connector VITA 57, 160 Male contacts in 4 row cdgh"
L1: library part L_POWER_DLCSN042C_2.2uH, "2.2uH, 2.4A, 0.07R, inductor (Maritex)"
R1 R2 R3 R4 R5 R6 R7 R8 R15 R16 R17 R18 R19 R20 R21 R22 R23 R24 R25 R26: library part RES_0402, "SMD Resistor"
R9 R10 R11 R12 R13 R14: library part RES_0603, "SMD Resistor"

## Free pads (board coordinates)
  round 137.8 on Mech9: 1(-1086.37,-1693.19) 1(5882.14,-1693.19)

## Via types
v1: diameter 23.62, hole 11.81, Top Layer to Bottom Layer, tented both sides, 364 vias
v2: diameter 23.62, hole 11.81, Top Layer to Bottom Layer, 19 vias

## Nets (pads, with @x,y where several pads share a name; then routed paths per layer and width w, separated by ;. In a path a pad name is that pad's centre, name@x,y a point inside that pad or via, vN(x,y) a via of type N, cw(c..) or ccw(c..) an arc to the next point about the centre after c; other vN are vias at no path point)
CLK0_M2C_N: CON3.17 J1.h5 | length 923.8
  Top Layer w10: v1(715.08,-849.44) 715.08,-852.25 719.08,-856.25 1393.16,-856.25 1494.16,-755.25 1510.6,-755.25 J1.h5@1528.79,-737.06
  Bottom Layer w10: CON3.17@659.7,-851.56 712.97,-851.56 v1(715.08,-849.44)
CLK0_M2C_P: CON3.15 J1.h4 | length 909.5
  Top Layer w10: v1(715.08,-878.56) 715.08,-875.75 719.08,-871.75 1399.58,-871.75 1484.28,-787.06 J1.h4@1528.79,-787.06
  Bottom Layer w10: CON3.15@659.7,-876.56 713.07,-876.56 v1(715.08,-878.56)
CLK1_M2C_N: CON3.11 J1.g3 | length 961.8
  Top Layer w10: v1(712.08,-924.49) 718.89,-931.31 1421.11,-931.31 1475.12,-877.29 1478.2,-877.29 1495.05,-860.44 1537.37,-860.44 1560.75,-837.06 J1.g3@1578.79,-837.06
  Bottom Layer w10: CON3.11@659.7,-926.56 710.02,-926.56 v1(712.08,-924.49)
CLK1_M2C_P: CON3.9 J1.g2 | length 961.5
  Top Layer w10: v1(712.08,-953.62) 718.89,-946.81 1427.53,-946.81 1481.54,-892.79 1482.78,-892.79 1499.64,-909.66 1538.15,-909.66 1560.75,-887.06 J1.g2@1578.79,-887.06
  Bottom Layer w10: CON3.9@659.7,-951.56 710.02,-951.56 v1(712.08,-953.62)
CLK_IN: CON1.57 R1.1 | length 460.2
  Top Layer w8: v2(-673.23,-429.13) -662.76,-439.6 -662.76,-449.44 -589.02,-523.19 R1.1@-522.13,-523.19
  Bottom Layer w8: CON1.57@-915.47,-375.7 -726.66,-375.7 v2(-673.23,-429.13)
DP0_C2M_N: CON3.12 J1.c3 | length 907.5
  Top Layer w10: J1.c3@1778.79,-837.06 1798.99,-857.25 v1(1804.08,-857.25)
  Bottom Layer w10: CON3.12@962.85,-926.56 1004.08,-926.56 1008.83,-931.31 1669.53,-931.31 1736.08,-864.75 1796.58,-864.75 v1(1804.08,-857.25)
DP0_C2M_P: CON3.10 J1.c2 | length 892
  Top Layer w10: J1.c2@1778.79,-887.06 v1@1797.08,-887.06
  Bottom Layer w10: CON3.10@962.85,-951.56 1004.08,-951.56 1008.83,-946.81 1675.95,-946.81 1742.5,-880.25 1797.08,-880.25 v1(1804.08,-887.25)
DP0_M2C_N: CON3.24 J1.c7 | length 932.2
  Top Layer w10: J1.c7@1778.79,-637.06 1800.99,-659.25 v1(1806.08,-659.25)
  Bottom Layer w10: CON3.24@962.85,-776.56 1004.08,-776.56 1008.83,-781.31 1539.26,-781.31 1548.63,-771.94 1554.39,-771.94 1664.58,-661.75 1803.58,-661.75 v1(1806.08,-659.25)
DP0_M2C_P: CON3.22 J1.c6 | length 916
  Top Layer w10: J1.c6@1778.79,-687.06 v1@1797.08,-687.06
  Bottom Layer w10: CON3.22@962.85,-801.56 1004.08,-801.56 1008.83,-796.81 1545.68,-796.81 1555.05,-787.44 1560.81,-787.44 1671,-677.25 1792.08,-677.25 v1(1804.08,-689.25)
FMC_SCL: CON4.36 J1.c30 | length 896.1
  Top Layer w6: J1.c30@1778.79,512.94 1800.08,534.23 v1(1800.08,539.75)
  Bottom Layer w6: CON4.36@962.85,593.92 963.83,592.94 1674.29,592.94 1675.27,593.92 1745.91,593.92 v1(1800.08,539.75)
FMC_SDA: CON4.34 J1.c31 | length 835.2
  Top Layer w6: v1(1758.08,543.75) 1777.28,562.94 J1.c31@1778.79,562.94
  Bottom Layer w6: CON4.34@962.85,568.92 1728.91,568.92 1755.08,542.75 1757.08,542.75 v1(1758.08,543.75)
FRAME_REQ: CON1.54 R7.1 | length 451.6
  Top Layer w10: CON1.54@-915.47,-425.7 -913.96,-427.21 -714.53,-427.21 -575.39,-566.34 R7.1@-522.13,-566.34
GA0: CON4.42 J1.c34 | length 849.6
  Top Layer w10: v1(1757.08,694.75) 1775.28,712.94 J1.c34@1778.79,712.94
  Bottom Layer w10: CON4.42@962.85,668.92 1474.41,668.92 1493.05,687.56 1511.12,687.56 1529.76,668.92 1731.25,668.92 v1(1757.08,694.75)
GA1: CON4.44 J1.d35 | length 801.7
  Top Layer w10: v1(1703.08,746.75) 1712.6,746.75 J1.d35@1728.79,762.94
  Bottom Layer w10: CON4.44@962.85,693.92 1478.19,693.92 1486.83,702.56 1517.33,702.56 1525.97,693.92 1650.25,693.92 v1(1703.08,746.75)
GBTCLK0_M2C_N: CON3.18 J1.d5 | length 811.7
  Top Layer w10: v1(1702.08,-745.94) 1702.2,-745.94 1711.08,-737.06 J1.d5@1728.79,-737.06
  Bottom Layer w10: CON3.18@962.85,-851.56 1004.08,-851.56 1008.83,-856.31 1477.26,-856.31 1488.63,-844.94 1496.93,-844.94 1497.05,-845.06 1515.12,-845.06 1515.24,-844.94 1520.54,-844.94 1531.9,-856.31 1548.03,-856.31 1571.27,-833.06 1575.12,-833.06 1587.89,-820.29 1587.89,-816.44 1651.58,-752.75 1687.5,-752.75
GBTCLK0_M2C_P: CON3.16 J1.d4 | length 836.6
  Top Layer w10: v1(1702.08,-775.06) 1707.89,-769.25 1710.99,-769.25 J1.d4@1728.79,-787.06
  Bottom Layer w10: CON3.16@962.85,-876.56 1004.08,-876.56 1008.83,-871.81 1483.68,-871.81 1494.93,-860.56 1514.24,-860.56 1525.48,-871.81 1554.45,-871.81 1577.69,-848.56 1581.54,-848.56 1603.39,-826.71 1603.39,-822.86 1658,-768.25 1698.08,-768.25 1702.08,-772.25 v1(1702.08,-775.06)